# Altium PCB Moter_Control_2021-08-13.pcbdoc (part 1 of 2)
Units mil, origin at the board's own origin, x right, y up, seen from the top; angles counter-clockwise.
Board outline 3361.49 x 2219.75 mil, 2 copper layers (Top Layer, Bottom Layer); 99 components, 79 nets, 430 pads, 232 vias.
Unrouted connection lines stored in the file: 3.
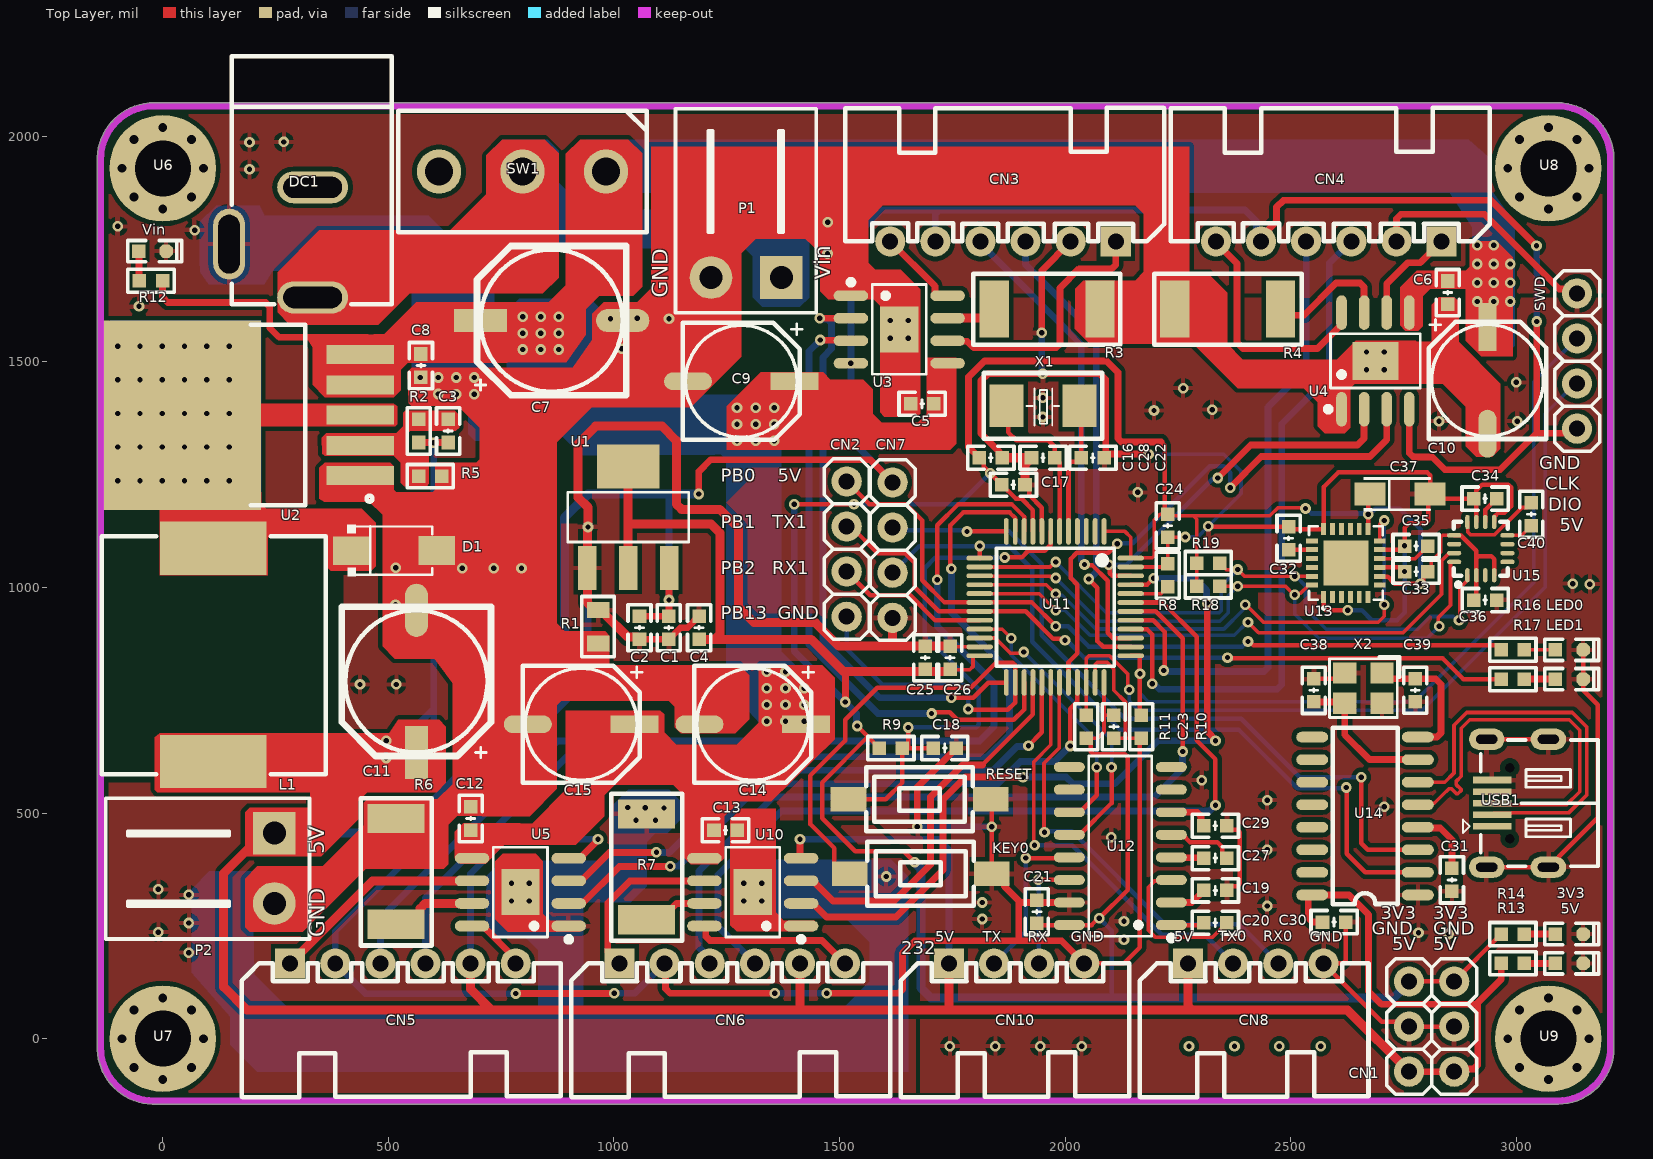
[diagram p0: Top Layer view]
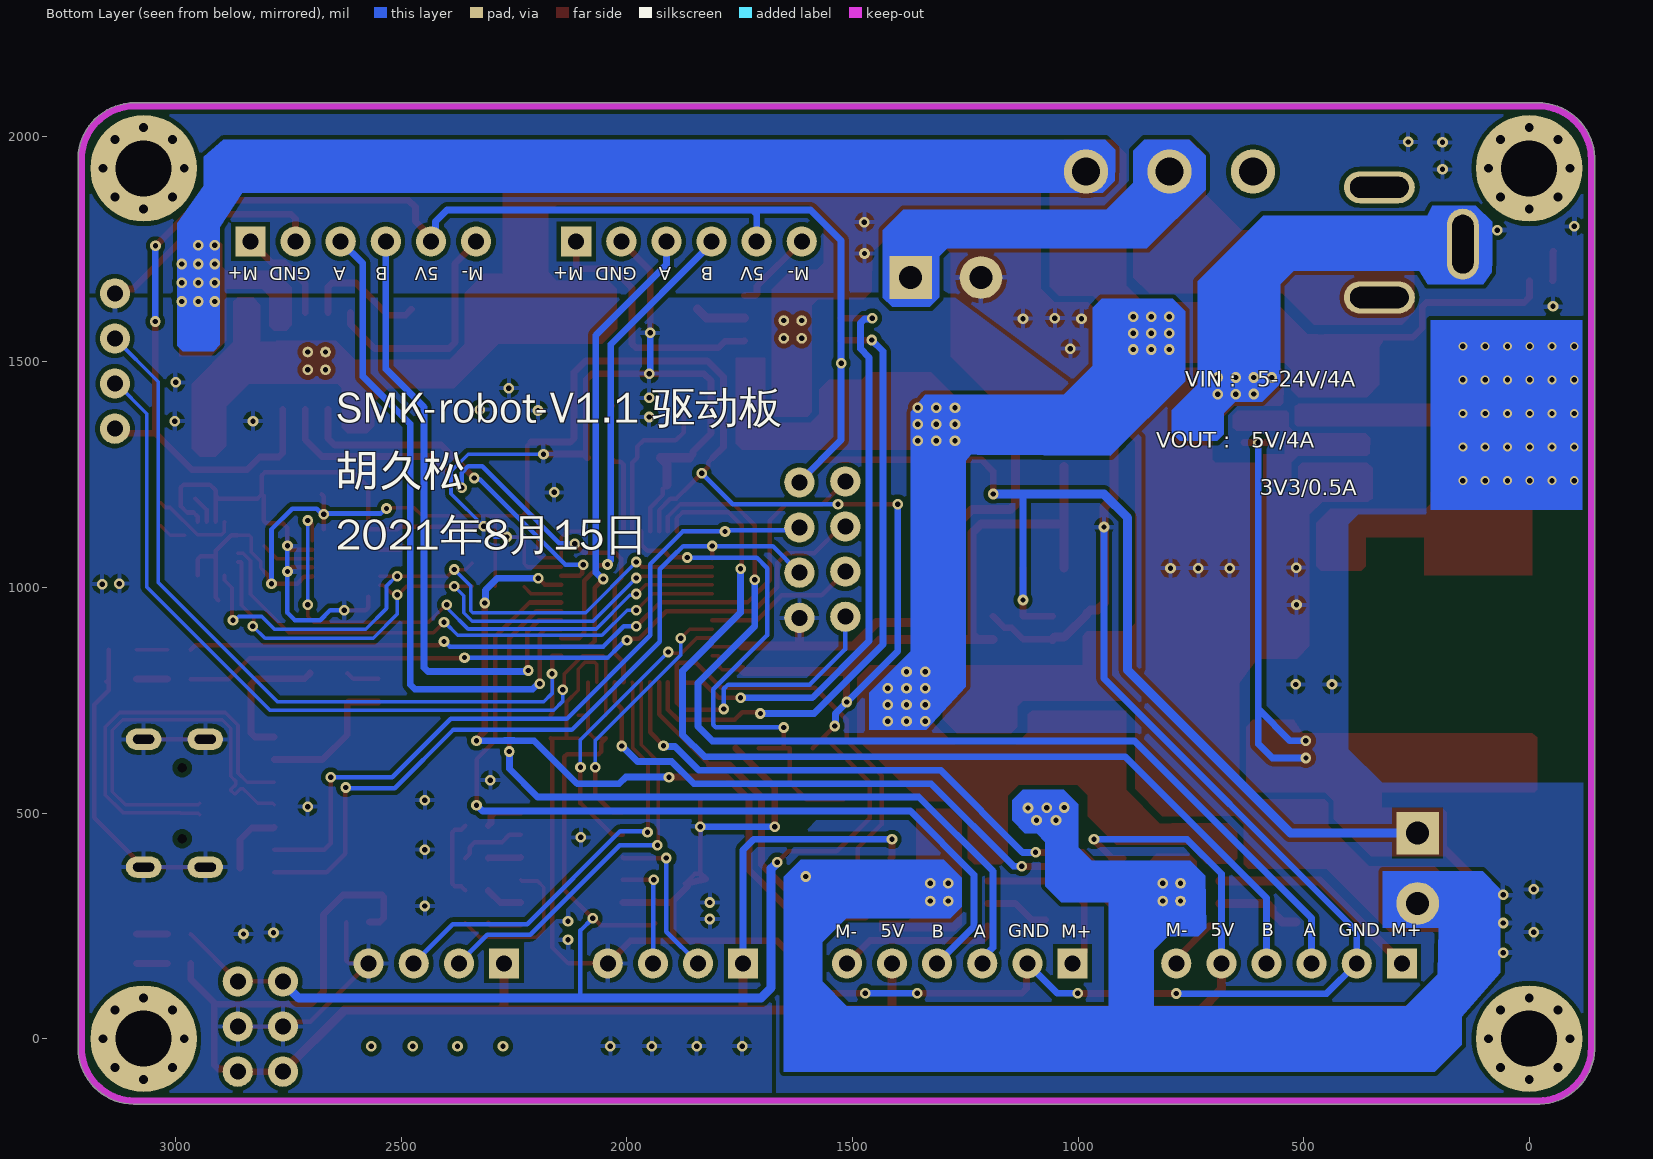
[diagram p1: Bottom Layer view, seen from below]

## Layer stack, top to bottom
Top Solder: solder mask 0.4, Solder Resist, Dk 3.5
Top Layer: signal copper 1.4
Dielectric1: dielectric 12.6, FR-4, Dk 4.8
Bottom Layer: signal copper 1.4
Bottom Solder: solder mask 0.4, Solder Resist, Dk 3.5

## Board outline
-145.23,-24.17 cw(c-137.79,-23.07) -145.31,-23.07 -145.31,1951.93 cw(c-137.8,1951.93) -145.24,1952.94 cw(c-19.69,1948.82) -19.69,2074.44 cw(c-19.68,2066.95) -18.74,2074.38 cw(c-17.8,2066.94) -17.8,2074.44 3087.2,2074.44 cw(c3087.2,2066.93) 3088.88,2074.26 cw(c3090.55,2066.93) 3090.55,2074.44 cw(c3090.55,1948.82) 3216.11,1952.93 cw(c3208.66,1951.93) 3216.18,1951.93 3216.18,1948.76 ccw(c3208.65,1948.82) 3216.18,1948.82 ccw(c3090.55,1948.82) 3216.18,1949.04 3216.18,1948.76 3216.18,-18.07 cw(c3208.66,-18.07) 3216.13,-18.88 cw(c3208.65,-19.69) 3216.18,-19.69 cw(c3090.55,-19.69) 3092.74,-145.29 cw(c3092.2,-137.79) 3092.2,-145.31 -22.8,-145.31 cw(c-22.8,-137.8) -23.8,-145.24 cw(c-19.69,-19.69)

## Design rules (kind name [scope] priority, off if disabled: settings)
Clearance [All] p1: gap=5 ignorepadtopadclearanceinfootprint=FALSE except(-1: Arc-SMDPad Arc-THPad Track-SMDPad Track-THPad; 10: Arc-Fill Arc-Poly Arc-Region Track-Fill Track-Poly Track-Region SMDPad-Fill SMDPad-Poly SMDPad-Region THPad-Fill THPad-Poly THPad-Region Via-Fill Via-Poly Via-Region Fill-Fill Fill-Poly Fill-Region Poly-Poly Poly-Region Region-Region)
DiffPairsRouting DiffPair_DiffPairsRouting [InDifferentialPair ('USB')] p1: maxlimit=10 minlimit=5 mostfreqgap=8 toplayer_minwidth=6 toplayer_maxwidth=15 toplayer_prefwidth=6 bottomlayer_minwidth=6 bottomlayer_maxwidth=15 bottomlayer_prefwidth=6 maxuncoupledlength=500
DiffPairsRouting [All] p2: maxlimit=10 minlimit=10 mostfreqgap=10 toplayer_minwidth=15 toplayer_maxwidth=15 toplayer_prefwidth=15 bottomlayer_minwidth=15 bottomlayer_maxwidth=15 bottomlayer_prefwidth=15 maxuncoupledlength=500
HoleSize [All] p1: absolutevalues=TRUE maxlimit=200 minlimit=1 maxpercent=80.000 minpercent=20.000
Length [All] p1: maxlimit=100000 minlimit=0
MatchedLengths DiffPair_MatchedLengths [InNetClass('USB')] p1: tolerance=5 checknetsindiffpair=TRUE checkdiffpairvsdiffpair=FALSE checkxsignals=FALSE checkothers=FALSE
MinimumSolderMaskSliver [All] p1: minsoldermaskwidth=-1
ParallelSegment [InNetClass('USB')] p1: limit=200 gap=0
PolygonConnect [All] p1: connectstyle=Relief reliefconductorwidth=10 reliefentries=4 polygonreliefangle="90 Angle" airgapwidth=10
RoutingVias [All] p1: holewidth=28 width=50 viastyle="Through Hole" minholewidth=28 minwidth=50 maxholewidth=28 maxwidth=50
SilkToSilkClearance [All] p1: silktosilkclearance=-1
SilkToSolderMaskClearance [IsPad] p1: minsilkscreentomaskgap=-1 clearancetoexposedcopper=TRUE
SolderMaskExpansion [All] p1: expansion=4 istentingtop=FALSE
Width [All] p1: maxlimit=30 minlimit=5 preferedwidth=10 minimp=50.000000 maximp=50.000000 favimp=50.000000
25 further rules are at their usual default settings.

## Components (designator, comment, footprint, x,y, rotation, side; value= is the part's Value field where it differs from the comment)
3V3 "19-217/BHC-ZL1M2RY/3T" LED0603_B 3117.2,231.93 r0 top
5V "19-217/BHC-ZL1M2RY/3T" LED0603_B 3117.2,166.93 r0 top
C1 "100nF" C0603_L 1121.54,910.86 r270 top
C2 "10uF" C0603_L 1056.54,910.86 r270 top
C3 "33nF" C0603_L 632.2,1346.93 r270 top
C4 "10uF" C0603_L 1188.54,910.86 r270 top
C5 "220nF" C0603_L 1682.8,1406.93 r0 top
C6 "220nF" C0603_L 2847.72,1653.7 r90 top
C7 "220uF" "CE E(8*10.2)" 861.78,1591.61 r180 top
C8 "1uF" C0603_L 572.2,1491.93 r270 top
C9 "100uF" "CE D(6.3*7.7)" 1282.2,1456.93 r0 top
C10 "100uF" "CE D(6.3*7.7)" 2935.84,1459.06 r90 top
C11 "220uF" "CE E(8*10.2)" 562.2,791.93 r270 top
C12 "220nF" C0603_L 682.2,488.07 r270 top
C13 "220nF" C0603_L 1247.2,461.93 r180 top
C14 "100uF" "CE D(6.3*7.7)" 1307.51,696.93 r0 top
C15 "100uF" "CE D(6.3*7.7)" 927.2,696.93 r0 top
C16 "1uF" C0603_L 1835.31,1287.56 r0 top
C17 "10nF" C0603_L 1885.31,1227.56 r0 top
C18 "100nF" C0603_L 1733.14,644.13 r180 top
C19 "100nF" C0603_L 2332.79,328.59 r180 top
C20 "100nF" C0603_L 2332.8,256.94 r0 top
C21 "100nF" C0603_L 1937.21,281.34 r270 top
C22 "22pF" C0603_L 2061.31,1287.36 r180 top
C23 "100nF" C0603_L 2107.83,691.34 r90 top
C24 "100nF" C0603_L 2227.2,1136.93 r90 top
C25 "100nF" C0603_L 1689.85,844.32 r270 top
C26 "4.7uF" C0603_L 1744.85,844.32 r270 top
C27 "100nF" C0603_L 2332.8,400.27 r0 top
C28 "22pF" C0603_L 1950.89,1287.56 r0 top
C29 "100nF" C0603_L 2332.8,471.93 r0 top
C30 "100nF" C0603_L 2595.87,258.54 r0 top
C31 "100nF" C0603_L 2857.2,351.93 r270 top
C32 "2.2nF" C0603_L 2495.03,1109.02 r90 top
C33 "100nF" C0603_L 2777.8,1035.22 r0 top
C34 "4.7uF" C0603_L 2930.61,1197.11 r180 top
C35 "100nF" C0603_L 2777.8,1091.93 r0 top
C36 "100nF" C0603_L 2930.92,972.11 r180 top
C37 "100nF" CAP-SMD_L3.2-W1.6-R-RD 2742.2,1206.93 r180 top
C38 "22pF" C0603_L 2550.87,771.98 r270 top
C39 "22pF" C0603_L 2775.87,772.18 r270 top
C40 "220nF" C0603_L 3032.8,1162.25 r90 top
CN1 "HX25003-6WAP" Test_2.54_2×3Pin 2862.2,-73.07 r90 top
CN2 "GP26-2520WV-4P" Test_2.54_4Pin 1515.67,935.21 r90 top
CN3 "HX25003-6WAP" XH2.54-WI-6P 1862.2,1766.93 r180 top
CN4 "HX25003-6WAP" XH2.54-WI-6P 2584.07,1766.93 r180 top
CN5 "HX25003-6WAP" XH2.54-WI-6P 532.2,166.93 r0 top
CN6 "HX25003-6WAP" XH2.54-WI-6P 1262.2,166.93 r0 top
CN7 "HX25035-4WAP" Test_2.54_4Pin 1617.59,1232.89 r270 top
CN8 "HX25035-4WAP" XH2.54-WI-4P 2422.2,166.93 r0 top
CN10 "HX25035-4WAP" XH2.54-WI-4P 1892.2,166.93 r0 top
D1 "SS54_C727065" SMA_L4.3-W2.6-LS5.0-RD 512.2,1081.93 r0 top
DC1 "DC-005-5A-3.0" DC-IN-TH_DC-005-5A-3.0 332.2,1642.83 r270 top
KEY0 "TSA363G25-250B" SW-SMD_L6.5-W3.6-LS8.0 1679.68,365.55 r180 top
L1 "33uH" IND-SMD_L13.45-W12.6 112.2,850.71 r90 top
LED0 "19-217/BHC-ZL1M2RY/3T" LED0603_B 3117.2,861.93 r0 top
LED1 "19-217/BHC-ZL1M2RY/3T" LED0603_B 3117.2,796.93 r0 top
P1 "WJ126V-5.0-2P" HT3.96-WI-2P-ORG 1292.2,1686.93 r180 top
P2 "WJ126V-5.0-2P" HT3.96-WI-2P-ORG 247.2,376.93 r270 top
R1 "0R" R0805_L 964.7,913.04 r90 top
R2 "10.5K" R0603_L 567.2,1346.93 r90 top
R3 "0.25" R2512_L 1961.06,1616.93 r180 top
R4 "0.25" R2512_L 2359.09,1616.93 r0 top
R5 "2K" R0603_L 592.8,1246.93 r180 top
R6 "0.25" R2512_L 517.2,371.93 r270 top
R7 "0.25" R2512_L 1072.2,381.93 r270 top
R8 "10K" R0603_L 2227.2,1026.94 r90 top
R9 "10K" R0603_L 1613.73,644.13 r180 top
R10 "4.7K" R0603_L 2168.88,691.34 r270 top
R11 "4.7K" R0603_L 2046.79,691.34 r270 top
R12 "2K" R0603_L -26.16,1679.76 r0 top
R13 "510" R0603_L 2992.2,166.93 r180 top
R14 "510" R0603_L 2992.2,231.93 r180 top
R16 "510" R0603_L 2992.2,861.93 r180 top
R17 "510" R0603_L 2992.2,796.93 r180 top
R18 "4.7K" R0603_L 2317.2,1002.38 r0 top
R19 "4.7K" R0603_L 2317.16,1054.16 r0 top
RESET "TSA363G25-250B" SW-SMD_L6.5-W3.6-LS8.0 1677.2,530.55 r180 top
SW1 "SS-12D06L5" SS-12D10 797.24,1921.93 r180 top
SWD "HX25035-4WAP" Test_2.54_4Pin 3134.51,1351.93 r90 top
U1 "AMS1117-3.3_C426566" SOT-223_L6.5-W3.5-P2.30-LS7.0-BR 1031.54,1155.86 r270 top
U2 "XL4005E1" TO-263-5_L10.2-W9.2-P1.70-TL 240.14,1381.93 r180 top
U3 "A4950ELJTR-T" A4950 1632.2,1571.93 r270 top
U4 "A4950ELJTR-T" A4950 2687.51,1502.25 r0 top
U5 "A4950ELJTR-T" A4950 792.51,324.77 r90 top
U6 "Fix" FIX 0,1929.13 r0 top
U7 "Fix" FIX 0,0 r0 top
U8 "Fix" FIX 3070.87,1929.13 r0 top
U9 "Fix" FIX 3070.87,0 r0 top
U10 "A4950ELJTR-T" A4950 1307.51,324.77 r90 top
U11 "GD32F303CGT6" LQFP-48_L7.0-W7.0-P0.50-LS9.0-BL 1977.8,956.93 r180 top
U12 "SP3232EIM/TR" SOP-16_L10.0-W3.9-P1.27-LS6.0-BL 2122.2,426.93 r90 top
U13 "MPU-6050_C24112" QFN-24_L4.0-W4.0-P0.50-BL-EP2.6 2622.21,1054.3 r0 top
U14 "CH340G" SOIC-16_L9.9-W3.9-P1.27-LS6.0-BR 2664.5,493.54 r0 top
U15 "QMC5883L-TR" SENSOR-SMD_QMC5883L-TR 2921.09,1086.17 r90 top
USB1 "U-M-M5DS-W-5_C2689963" USB-MICRO_D 3070.87,521.93 r90 top
Vin "19-217/BHC-ZL1M2RY/3T" LED0603_B -23.21,1745.48 r0 top
X1 "8MHz" "OSC 5032-2P-Black" 1950.89,1402.56 r0 top
X2 "12MHz" "OSC 3225-4P" 2660.87,776.98 r180 top

## Footprints (in the part's own frame and the unit in brackets; to place one, negate y for a bottom-side part, rotate by r counter-clockwise, add the part's x,y. Pads: shape width x height; smd on the part's side, far side on the other; paste and mask are expansions set on the pad)
A4950 [mm]
  oval 0.602x1.941 smd: 1(-1.905,-2.72) 2(-0.635,-2.72) 3(0.635,-2.72) 4(1.905,-2.72) 5(1.905,2.72) 6(0.635,2.72) 7(-0.635,2.72) 8(-1.905,2.72)
  round 0.6 hole 0.3: 9(-0.5,0.5) 9(-0.5,-0.5) 9(0.5,0.5) 9(0.5,-0.5)
  rect 2.595x2.15 smd: 9(0,0)
  silkscreen extent -2.81,-2.87 2.53,1.52, body extent -2.54,-3.1 2.46,3.1, height 1.75
C0603_L [mil] "无极性贴片电容"
  rect 30x30 smd: 1(-25.59,0) 2(25.59,0)
  silkscreen extent -51,-26 51,26, body extent -31,-16 32,16, height 33
CAP-SMD_L3.2-W1.6-R-RD [mil]
  rect 69.19x51.02 smd: 1(66.39,0) 2(-66.39,0)
  silkscreen extent -66,-37 81,37, body extent -63,-32 63,31, height 64
"CE D(6.3*7.7)" [mm] "贴片电解电容，直径6.3mm，高7.7mm"
  rect 2.7x1 smd: 1(3,0)
  oval 2.7x1 smd: 2(-3,0)
  silkscreen extent -3.3,-3.3 3.43,3.3, body extent -3.5,-3.3 3.5,3.3, height 7.75
"CE E(8*10.2)" [mm] "贴片电解电容，直径8mm，高10.2mm"
  rect 3x1.3 smd: 1(4,0)
  oval 3x1.3 smd: 2(-4,0)
  silkscreen extent -4.2,-4.2 4.3,4.2, body extent -4.5,-4.15 4.5,4.15, height 10.25
DC-IN-TH_DC-005-5A-3.0 [mm]
  oval 1.8x4 hole 1.2 slot 3.3 at 90 deg: 1(0,0) 2(-6.2,0)
  oval 4x1.8 hole 1.2 slot 3.3 at 0 deg: 3(-3,-4.703)
  silkscreen extent -13.59,-4.55 0.38,4.45, body extent -13.6,-4.8 0.45,4.5, height 11
FIX [mm]
  round 0.5 hole 0.5: ""(-2.286,0) ""(-1.616,-1.616) ""(-1.616,1.616) ""(0,-2.286) ""(0,2.286) ""(1.616,-1.616) ""(1.616,1.616) ""(2.286,0)
  round 6 hole 3.15: ""(0,0)
HT3.96-WI-2P-ORG [mm] "HT3.96卧插端子"
  rect 2.4x2.4 hole 1.3: 1(-2,0)
  round 2.4 hole 1.3: 2(1.96,0)
  silkscreen extent -3.96,-9.5 3.96,1.98, body extent -3.98,-9.5 3.98,0.5, height 7.45
IND-SMD_L13.45-W12.6 [mm]
  rect 3x6 smd: 1(-6,0) 2(6,0)
  silkscreen extent -6.71,-6.33 6.69,6.28, body extent -6.83,-6.3 6.83,6.3, height 5.9
LED0603_B [mil] "蓝色0603LED"
  rect 30x30 smd: 1(-30.59,0)
  oct 30x30 smd: 2(30.59,0)
  silkscreen extent -54,-24 65,24, body extent -32,-16 31,16, height 24
LQFP-48_L7.0-W7.0-P0.50-LS9.0-BL [mm]
  oval 0.27x1.5 smd: 1(-2.75,-4.25) 2(-2.25,-4.25) 3(-1.75,-4.25) 4(-1.25,-4.25) 5(-0.75,-4.25) 6(-0.25,-4.25) 7(0.25,-4.25) 8(0.75,-4.25) 9(1.25,-4.25) 10(1.75,-4.25) 11(2.25,-4.25) 12(2.75,-4.25) 25(2.75,4.25) 26(2.25,4.25) 27(1.75,4.25) 28(1.25,4.25) 29(0.75,4.25) 30(0.25,4.25) 31(-0.25,4.25) 32(-0.75,4.25) 33(-1.25,4.25) 34(-1.75,4.25) 35(-2.25,4.25) 36(-2.75,4.25)
  oval 1.5x0.27 smd: 13(4.25,-2.75) 14(4.25,-2.25) 15(4.25,-1.75) 16(4.25,-1.25) 17(4.25,-0.75) 18(4.25,-0.25) 19(4.25,0.25) 20(4.25,0.75) 21(4.25,1.25) 22(4.25,1.75) 23(4.25,2.25) 24(4.25,2.75) 37(-4.25,2.75) 38(-4.25,2.25) 39(-4.25,1.75) 40(-4.25,1.25) 41(-4.25,0.75) 42(-4.25,0.25) 43(-4.25,-0.25) 44(-4.25,-0.75) 45(-4.25,-1.25) 46(-4.25,-1.75) 47(-4.25,-2.25) 48(-4.25,-2.75)
  silkscreen extent -3.33,-3.31 3.3,3.34, body extent -4.5,-4.5 4.5,4.5, height 1.45
"OSC 3225-4P" [mm] "3.2*2.5*0.7mm(长宽高)"
  rect 1.3x1.2 smd: 1(-1.05,-0.85) 2(1.05,-0.85) 3(1.05,0.85) 4(-1.05,0.85)
  silkscreen extent -2.03,-1.75 1.91,1.65, body extent -1.6,-1.25 1.6,1.25, height 0.7
"OSC 5032-2P-Black" [mm]
  rect 1.9x2.4 smd: 1(-2.05,0) 2(2.05,0)
  silkscreen extent -3.32,-1.85 3.33,1.85, body extent -2.5,-1.6 2.5,1.6, height 0.86
QFN-24_L4.0-W4.0-P0.50-BL-EP2.6 [mm]
  rect 0.28x0.665 smd: 1(-1.25,-1.907) 2(-0.75,-1.907) 3(-0.25,-1.907) 4(0.25,-1.907) 5(0.75,-1.907) 6(1.25,-1.907) 13(1.25,1.907) 14(0.75,1.907) 15(0.25,1.907) 16(-0.25,1.907) 17(-0.75,1.907) 18(-1.25,1.907)
  rect 0.665x0.28 smd: 7(1.907,-1.25) 8(1.907,-0.75) 9(1.907,-0.25) 10(1.907,0.25) 11(1.907,0.75) 12(1.907,1.25) 19(-1.907,1.25) 20(-1.907,0.75) 21(-1.907,0.25) 22(-1.907,-0.25) 23(-1.907,-0.75) 24(-1.907,-1.25)
  rect 2.55x2.55 smd: 25(0,0)
  silkscreen extent -2.08,-2.61 2.08,2.08, body extent -2,-2 2,2, height 0.95
R0603_L [mil] "1/10W贴片电阻"
  rect 30x30 smd: 1(-25.59,0) 2(25.59,0)
  silkscreen extent -51,-26 51,26, body extent -31,-16 32,16, height 16
R0805_L [mil] "1/8W贴片电阻"
  rect 35x50 smd: 1(-37.4,0) 2(37.4,0)
  silkscreen extent -67,-36 67,36, body extent -39,-25 39,25, height 20
R2512_L [mm] "1W贴片电阻                淘宝ID:黄晶宝石"
  rect 1.65x3.2 smd: 1(-2.95,0) 2(3,0)
  silkscreen extent -4.1,-2 4.2,2, body extent -3.2,-1.6 3.2,1.6, height 0.55
SENSOR-SMD_QMC5883L-TR [mm]
  oval 0.8x0.25 smd: 1(-1.5,0.75) 2(-1.5,0.25) 3(-1.5,-0.25) 4(-1.5,-0.75) 9(1.5,-0.75) 10(1.5,-0.25) 11(1.5,0.25) 12(1.5,0.75)
  oval 0.25x0.8 smd: 5(-0.75,-1.5) 6(-0.25,-1.5) 7(0.25,-1.5) 8(0.75,-1.5) 13(0.75,1.5) 14(0.25,1.5) 15(-0.25,1.5) 16(-0.75,1.5)
  silkscreen extent -2.16,-1.52 1.52,1.52, body extent -1.5,-1.5 1.5,1.5, height 0.9
SMA_L4.3-W2.6-LS5.0-RD [mm]
  rect 2.046x1.62 smd: 1(-2.404,-0.009) 2(2.404,0.009)
  silkscreen extent -2.61,-1.44 2.16,1.44, body extent -2.55,-1.3 2.55,1.3, height 2.15
SOIC-16_L9.9-W3.9-P1.27-LS6.0-BR [mm]
  oval 1.8x0.6 smd: 1(2.972,-4.445) 2(2.972,-3.175) 3(2.972,-1.905) 4(2.972,-0.635) 5(2.972,0.635) 6(2.972,1.905) 7(2.972,3.175) 8(2.972,4.445) 9(-2.972,4.445) 10(-2.972,3.175) 11(-2.972,1.905) 12(-2.972,0.635) 13(-2.972,-0.635) 14(-2.972,-1.905) 15(-2.972,-3.175) 16(-2.972,-4.445)
  silkscreen extent -1.83,-4.98 1.85,4.98, body extent -3,-5 3,5, height 1.9
SOP-16_L10.0-W3.9-P1.27-LS6.0-BL [mm]
  oval 0.56x1.745 smd: 1(-4.445,-2.873) 2(-3.175,-2.873) 3(-1.905,-2.873) 4(-0.635,-2.873) 5(0.635,-2.873) 6(1.905,-2.873) 7(3.175,-2.873) 8(4.445,-2.873) 9(4.445,2.873) 10(3.175,2.873) 11(1.905,2.873) 12(0.635,2.873) 13(-0.635,2.873) 14(-1.905,2.873) 15(-3.175,2.873) 16(-4.445,2.873)
  silkscreen extent -5.33,-3.02 5.08,1.77, body extent -5,-3 5,3, height 1.9
SOT-223_L6.5-W3.5-P2.30-LS7.0-BR [mm]
  rect 2.465x1.05 smd: 1(2.858,-2.3) 2(2.857,0) 3(2.857,2.3)
  rect 2.465x3.54 smd: 4(-2.857,0)
  silkscreen extent -1.4,-3.4 1.4,3.4, body extent -3.51,-3.25 3.51,3.25, height 1.65
SS-12D10 [mm] "脚距3mm      淘宝ID:黄晶宝石"
  round 2.5 hole 1.6: 1(-4.7,0) 2(0,0) 3(4.7,0)
  silkscreen extent -7,-3.43 7,3.43, body extent -7,-3.1 7,3.1, height 9.65
SW-SMD_L6.5-W3.6-LS8.0 [mm]
  rect 2x1.38 smd: 1(-4,0) 2(4,0)
  silkscreen extent -3,-1.8 3,1.8, body extent -4,-1.75 4,1.75, height 2.59
Test_2.54_2×3Pin [mm]
  round 1.7 hole 0.9: 1(0,0) 2(0,2.54) 3(2.54,0) 4(2.54,2.54) 5(5.08,0) 6(5.08,2.54)
  silkscreen extent -1.27,-1.27 6.35,3.81
Test_2.54_4Pin [mm]
  round 1.7 hole 0.9: 1(0,0) 2(2.54,0) 3(5.08,0) 4(7.62,0)
  silkscreen extent -1.27,-1.27 8.89,1.27
TO-263-5_L10.2-W9.2-P1.70-TL [mm]
  rect 3.8x1.069 smd: 1(-5.003,3.404) 2(-5.003,1.702) 3(-5.003,0) 4(-5.003,-1.702) 5(-5.003,-3.404)
  rect 8.89x10.66 smd: 6(5.002,0)
  silkscreen extent -5.7,-5.08 1.14,5.08, body extent -5.65,-4.83 7.68,5.17, height 4.5
USB-MICRO_D [mm] "micro型USB ，6.7*7.5*2.5mm"
  round 0 hole 0.55 unplated: 0(-2,2.17) 0(2,2.17)
  rect 0.381x2.15 smd: 1(-1.3,3.16) 2(-0.65,3.16) 3(0,3.16) 4(0.65,3.16) 5(1.3,3.16)
  oval 1.2x2 hole 0.5 slot 1.2 at 90 deg: 6(-3.6,0) 6(-3.6,3.47) 6(3.6,0) 6(3.6,3.47)
  silkscreen extent -3.56,-2.79 3.56,4.81, body extent -3.99,-2.75 3.99,3.95, height 2.79
XH2.54-WI-4P [mm] "接插件，4P"
  rect 1.7x1.7 hole 0.9: 1(-3.81,0)
  round 1.7 hole 0.9: 2(-1.27,0) 3(1.27,0) 4(3.81,0)
  silkscreen extent -6.53,-7.53 6.35,0, body extent -6.31,-7.5 6.31,0.2, height 2.89
XH2.54-WI-6P [mm] "接插件，6P"
  rect 1.7x1.7 hole 0.9: 1(-6.35,0)
  round 1.7 hole 0.9: 2(-3.81,0) 3(-1.27,0) 4(1.27,0) 5(3.81,0) 6(6.35,0)
  silkscreen extent -9.07,-7.53 8.89,0, body extent -8.85,-7.45 8.85,0.25, height 2.89
